# KiCad board sensorboard.kicad_pcb (continued)
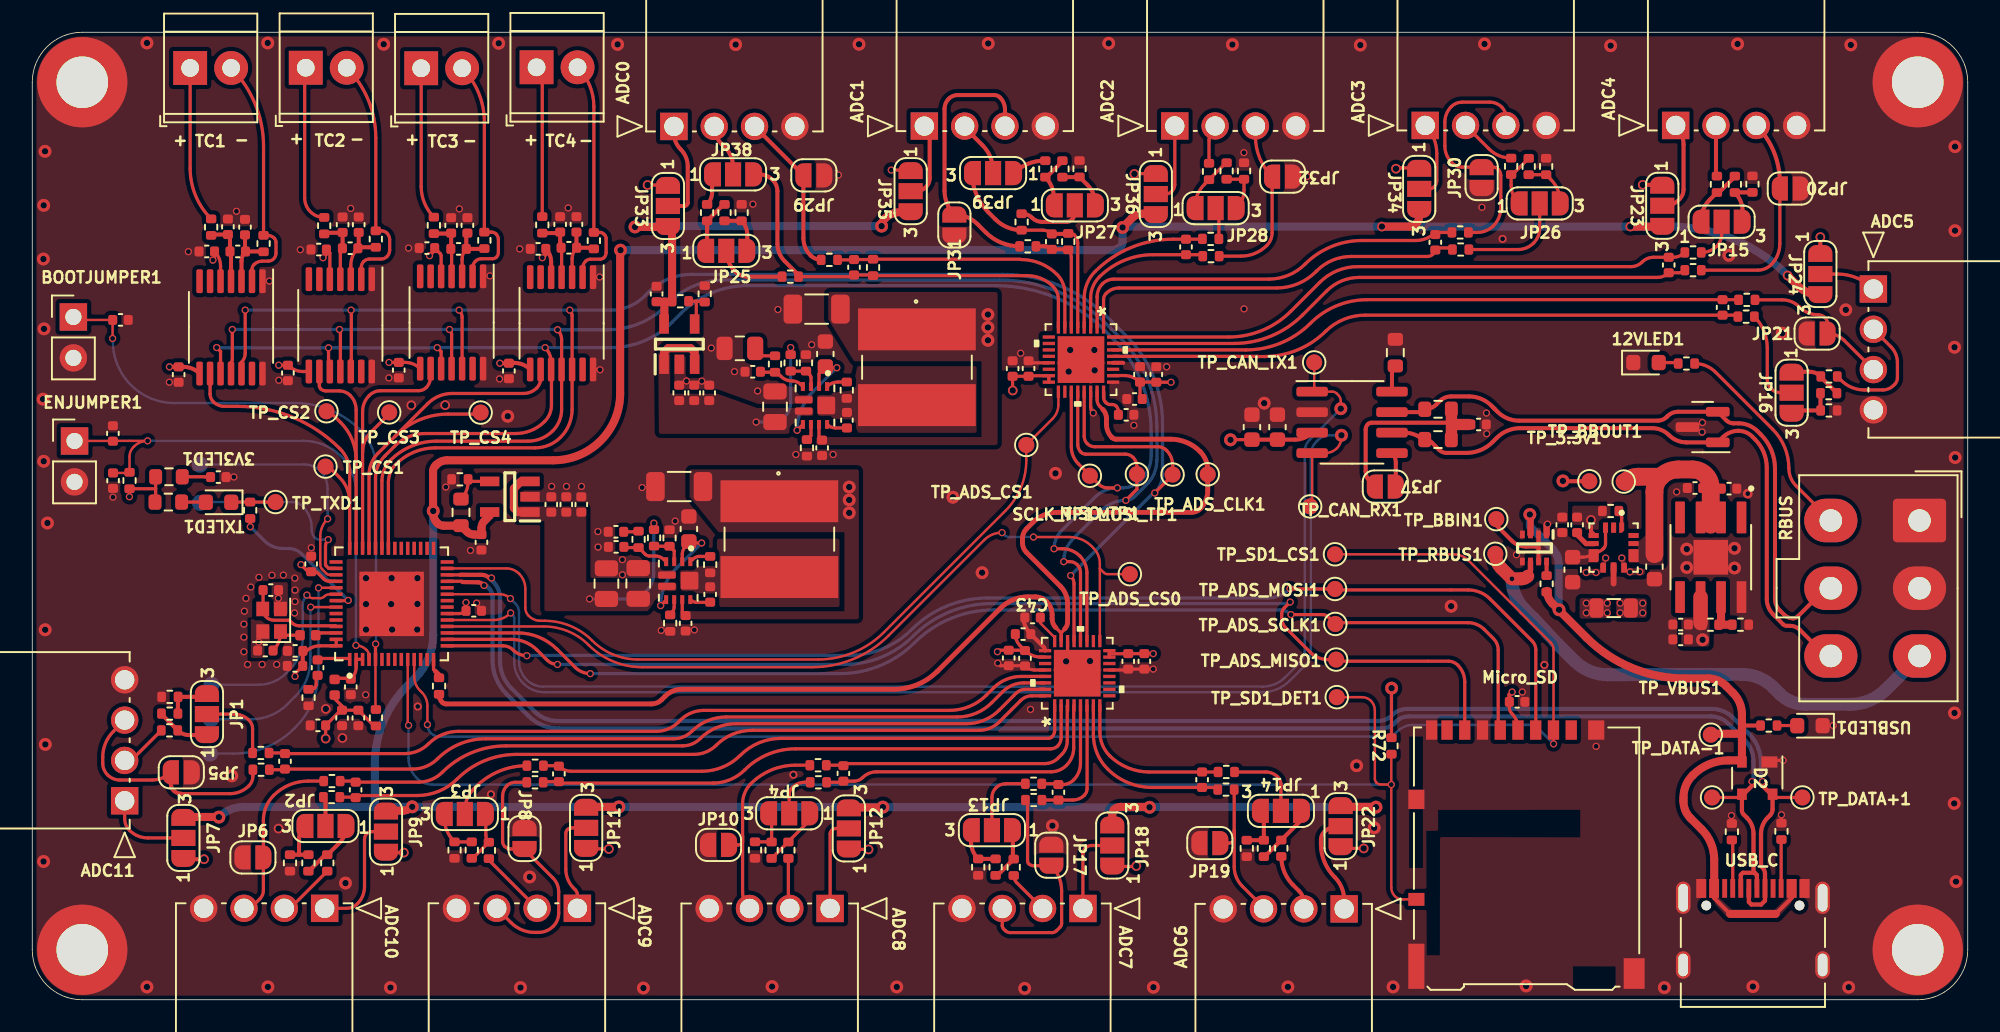
[diagram p0: board, top side]
## Routing (per net, layer and track width the routed paths; a pad name or vN(x,y) marks a point on that pad's centre or on a via; arc(x,y) is an arc through that point) (continued)
/TXD: length 2.7
  Top w0.2: TXLED1.1 12.35,30.87 TP_TXD1.1
RBUS_uC_V: length 33.7
  Top w0.336: U6.6 92.89,26.68 arc(92.85,26.45) 92.72,26.27
  Top w0.8: TP_RBUS1.1 arc(90.81,27.17) 91.08,26.77 v4(91.74,26.11) 92.33,26.11 arc(92.54,26.15) 92.72,26.27
  Bottom w0.8: J1.3 114.93,19.24 arc(113.91,18.56) 112.71,18.32 109.92,18.32 arc(109.07,18.49) 108.35,18.97 107.95,19.37 arc(107.05,19.97) 106,20.18 103.99,20.18 97.7,20.15 arc(96.57,20.38) 95.61,21.02 94.57,22.06 93.09,23.64 92.53,24.2 arc(91.95,25.07) v4(91.74,26.11)
Net-(3V3LED1-A): length 1.5
  Top w0.2: R2.1 10.7,32.43 arc(10.73,32.43) 10.75,32.41
Net-(12VLED1-A): length 1.2
  Top w0.2: 12VLED1.2 101.9,39.52 arc(101.98,39.5) R5.2
Net-(C5-Pad1): length 2.7
  Top w0.2: 20.48,21.11 20.08,21.11 20.08,20.61 arc(20.01,20.25) 19.8,19.93 ; 19.8,19.93 18.99,19.93 arc(18.87,19.91) 18.77,19.85 ; 19.8,19.93 arc(19.79,19.94) 19.79,19.94
Net-(C11-Pad1): length 1.2
  Top w0.2: R4.2 17.3,19.25 arc(17.42,19.27) 17.51,19.34 arc(17.57,19.42) 17.6,19.51 17.6,20.02 C11.1
Net-(C14-Pad1): length 2.6
  Top w0.2: L2.2 15.62,22.61 Y1.1 15.39,22.77 arc(15.27,22.16) C14.1
Net-(C57-Pad1): length 1.4
  Top w0.2: C57.1 45.28,39.94 R64.2
Net-(C79-Pad1): length 0.9
  Top w0.2: C79.1 37.55,29.02 37.59,29.06
Net-(IC1-ADJ/NC): length 2.7
  Top w0.2: IC1.4 27.33,32.15 arc(27.16,32.18) R98.2 27.02,32.11 arc(26.91,31.54) R97.1
Net-(IC2-ADJ/NC): length 2.5
  Top w0.2: 41.17,43.32 41.57,43.32 arc(41.63,43.31) R102.2 ; 41.17,43.32 R101.1 ; 41.17,43.32 41.17,42.15 arc(41.14,42.02) IC2.4
Net-(IC3-BOOT): length 1.3
  Top w0.2: C87.1 42.02,24.65 41.13,24.65 arc(40.95,24.71) IC3.10
Net-(IC3-COMP): length 3
  Top w0.2: C77.1 36.73,28.04 R21.1 38,27.63 arc(38.12,27.55) 38.26,27.52 38.62,27.52 arc(38.92,27.46) 39.17,27.29 IC3.4
Net-(IC3-EN): length 7.5
  Top w0.2: v1(38.96,24.45) 39.3,24.79 IC3.7 ; v1(41.5,28.33) 40.8,28.33 C53.1 40.71,28.31 40.44,28.04 arc(40.34,27.84) 40.3,27.63 IC3.2
  Bottom w0.2: v1(41.5,28.33) 39.91,26.73 arc(39.21,25.68) v1(38.96,24.45)
Net-(IC3-ILIM): length 1
  Top w0.2: R62.2 39.55,23.92 39.7,24.08 arc(39.78,24.21) 39.8,24.37 IC3.8
Net-(IC4-BOOT): length 1.3
  Top w0.2: C91.1 49.81,35.46 arc(49.52,35.52) IC4.10
Net-(IC4-COMP): length 2.9
  Top w0.2: C56.1 45.18,38.92 R64.1 46.17,38.92 46.43,38.66 arc(46.74,38.45) 47.1,38.38 arc(47.41,38.31) 47.67,38.14 IC4.4
Net-(IC4-EN): length 7.4
  Top w0.2: v1(49.88,39.2) 49.24,39.2 49.17,39.27 48.84,38.94 arc(48.8,38.87) 48.78,38.8 IC4.2 ; v1(47.42,35.32) 47.78,35.68 IC4.7
  Bottom w0.2: v1(49.88,39.2) 48.42,37.74 arc(47.68,36.63) v1(47.42,35.32)
Net-(IC4-ILIM): length 1
  Top w0.2: IC4.8 48.28,34.99 R100.2
Net-(J3-Pad2): length 3
  Top w0.2: R28.2 6.42,15.13 arc(6.11,14.92) J3.2
Net-(J4-Pad2): length 3.6
  Top w0.2: R31.2 16.24,5.92 arc(15.96,5.74) J4.2
Net-(J5-Pad2): length 4.3
  Top w0.2: J5.2 28.37,8.59 arc(28.33,8.67) R32.2
Net-(J6-Pad2): length 3.1
  Top w0.2: R33.2 46.88,5.88 arc(46.9,5.76) J6.2
Net-(J7-Pad2): length 2.8
  Top w0.2: J7.2 61.03,7.27 arc(60.9,7.47) R36.2
Net-(J8-Pad2): length 3.7
  Top w0.25: J8.2 78.84,6.02 arc(78.76,6.41) 78.54,6.75 78.17,7.11 arc(77.63,7.93) R43.2
Net-(J9-Pad2): length 3.2
  Top w0.25: J9.2 104.39,51.22 arc(104.41,51.14) R44.2
Net-(J10-Pad2): length 7.9
  Top w0.2: R45.2 112.16,38.41 arc(112.81,37.97) 113.59,37.82 114.73,37.82 arc(115.09,37.89) 115.4,38.09 115.48,38.18 arc(115.6,38.35) 115.64,38.56 115.64,39.52 arc(115.53,40.05) 115.23,40.5 J10.2
Net-(J12-Pad2): length 3.6
  Top w0.2: J12.2 90.32,52.76 arc(90.95,52.34) R55.2
Net-(J14-Pad2): length 2.4
  Top w0.2: R57.2 72.96,53.28 arc(73.06,53.77) J14.2
Net-(J15-CC1): length 3
  Top w0.2: 105.38,9.91 105.43,9.86 J15.A5
Net-(J15-CC2): length 3
  Top w0.2: R67.2 108.43,9.92 J15.B5
Net-(JP1-A): length 3.3
  Top w0.25: JP1.1 9.72,16.42 arc(9.34,16.49) R28.1 8.03,17.69 arc(8.02,17.72) R22.1
Net-(JP1-B): length 2.9
  Top w0.25: R22.2 9.03,18.76 arc(9.03,18.77) R23.1 10.27,18.79 arc(10.58,18.85) JP1.3
Net-(JP1-C): length 4.8
  Top w0.2: JP1.2 12.51,17.72 arc(13.02,17.61) 13.45,17.33 arc(13.61,17.09) 13.66,16.82 R73.1
Net-(JP2-A): length 3.8
  Top w0.25: 17.12,7.95 18.05,8.88 arc(18.16,8.95) 18.29,8.98 19.05,9.73 arc(19.37,10.21) JP2.1
Net-(JP2-B): length 3
  Top w0.25: R25.1 16.54,9 ; 16.54,9 17.05,9 arc(17.09,8.99) 17.12,8.97 ; 16.54,9 16.54,9.95 arc(16.63,10.4) JP2.3
Net-(JP2-C): length 1.8
  Top w0.25: JP2.2 18.18,12.25 arc(18.15,12.42) R74.1
Net-(JP3-A): length 3.3
  Top w0.2: JP3.1 28.12,10.23 arc(28.17,9.98) R32.1 27.35,8.81 arc(27.31,8.78) R26.1
Net-(JP3-B): length 3
  Top w0.2: JP3.3 25.52,11.38 arc(25.69,10.52) R27.1 R26.2
Net-(JP3-C): length 5.4
  Top w0.2: JP3.2 26.82,11.75 arc(26.96,12.47) 27.37,13.08 27.49,13.2 arc(28.95,14.17) R75.1
Net-(JP4-A): length 3.8
  Top w0.2: JP4.1 48.23,11.16 46.9,9.83 arc(46.88,9.81) R33.1 arc(46.86,9.78) 46.85,9.77 R29.1
Net-(JP4-B): length 2.9
  Top w0.2: R30.1 45.82,9.79 arc(45.83,9.79) R29.2 45.84,11.06 arc(45.79,11.33) JP4.3
Net-(JP4-C): length 2.8
  Top w0.2: JP4.2 46.93,12.71 arc(46.98,12.95) 47.12,13.17 arc(47.47,13.4) 47.89,13.49 R76.1
Net-(JP5-B): length 15.2
  Top w0.2: R77.1 13.68,13.87 arc(13.62,13.54) 13.43,13.27 arc(12.89,12.91) 12.26,12.78 9.23,12.78 ; J3.3 5.03,16.64 arc(4.54,15.91) 4.37,15.05 4.37,14.67 arc(4.45,14.28) 4.67,13.95 arc(5.02,13.71) 5.44,13.63 7.43,13.63 arc(8.06,13.75) JP5.2
  Top w0.25: JP5.2 8.59,13.41 arc(8.64,13.17) 8.77,12.97 arc(8.98,12.83) 9.23,12.78
Net-(JP6-B): length 11.2
  Top w0.2: R78.1 17.11,13.56 arc(15.95,13.33) 14.97,12.68 arc(14.5,11.97) 14.33,11.13 JP6.2 14.33,6.77 arc(14.28,6.5) 14.12,6.27 13.8,5.95 arc(13.49,5.74) J4.3
Net-(JP7-C): length 5.4
  Top w0.2: J3.1 5.73,11.23 arc(5.81,10.84) 6.03,10.51 arc(6.55,10.16) 7.16,10.04 JP7.2
Net-(JP8-B): length 16.2
  Top w0.2: J5.3 29.69,4.78 arc(30.36,4.33) 31.15,4.18 31.38,4.18 arc(31.88,4.27) 32.3,4.56 arc(32.55,4.93) 32.64,5.37 32.64,6.7 arc(32.55,7.16) 32.28,7.55 30.54,9.29 ; R79.1 29.94,13.49 arc(29.66,13.43) 29.43,13.28 arc(29.23,12.98) 29.16,12.62 29.16,9.82 arc(29.19,9.65) 29.29,9.51 arc(29.47,9.39) 29.68,9.35 JP8.2
Net-(JP9-C): length 7.8
  Top w0.2: JP9.2 21.02,10.43 arc(20.87,10.4) 20.75,10.32 arc(20.64,10.15) 20.6,9.95 20.6,7.02 arc(20.49,6.44) 20.16,5.96 arc(19.84,5.74) 19.47,5.67 J4.1
Net-(JP10-B): length 13.2
  Top w0.2: 44.04,10.14 44.04,9.82 arc(44.03,9.76) 43.99,9.7 arc(43.88,9.63) 43.76,9.6 JP10.2 ; 44.04,10.14 44.04,6.7 arc(44.15,6.14) J6.3 ; 44.04,10.14 44.04,12.15 arc(44.18,12.83) 44.56,13.41 arc(45.82,14.25) 47.31,14.55 R80.1
Net-(JP11-C): length 6.3
  Top w0.2: JP11.2 33.45,10.66 arc(33.3,10.63) 33.18,10.55 arc(33.11,10.44) 33.08,10.31 33.08,8.1 arc(33.21,7.46) 33.57,6.91 33.66,6.83 arc(33.76,6.67) 33.8,6.49 J5.1
Net-(JP12-C): length 6
  Top w0.2: J6.1 49.47,10.28 arc(49.49,10.4) 49.56,10.5 arc(49.7,10.59) 49.86,10.62 JP12.2
Net-(JP13-A): length 3.4
  Top w0.25: R36.1 59.92,7.79 arc(59.83,7.74) R34.1 ; R36.1 60.86,8.74 ; R36.1 arc(60.81,8.78) 60.8,8.85 JP13.1
Net-(JP13-B): length 3
  Top w0.25: R34.2 R35.1 arc(58.32,9.23) 58.2,9.82 JP13.3
Net-(JP13-C): length 4.6
  Top w0.2: JP13.2 59.5,12.54 arc(59.56,12.87) 59.75,13.15 arc(60.03,13.33) 60.35,13.4 R81.1
Net-(JP14-A): length 3.8
  Top w0.25: JP14.1 78.72,11.19 R43.1 76.44,8.91 arc(76.4,8.88) R37.1
Net-(JP14-B): length 2.9
  Top w0.25: R38.1 R37.2 76.36,11.14 arc(76.3,11.45) JP14.3
Net-(JP14-C): length 4.9
  Top w0.2: JP14.2 77.42,13.34 arc(77.37,13.6) 77.22,13.82 arc(76.88,14.04) 76.47,14.13 R82.1
Net-(JP15-A): length 3.7
  Top w0.25: JP15.1 arc(103.59,48.99) 104.01,49.62 R44.1 104.58,50.06 105.53,51.02 arc(105.55,51.05) R39.1
Net-(JP15-B): length 3
  Top w0.25: R40.1 105.58,50.07 arc(105.57,50.07) R39.2 arc(105.92,49.53) 106.04,48.9 JP15.3
Net-(JP15-C): length 2.7
  Top w0.2: R83.1 103.51,46.35 arc(104.01,46.44) 104.43,46.73 arc(104.66,47.07) 104.74,47.47 JP15.2
Net-(JP16-A): length 3.3
  Top w0.25: R41.1 110.92,38.59 arc(110.9,38.62) R45.1 arc(110.57,38.87) 110.19,38.95 JP16.1
Net-(JP16-B): length 2.9
  Top w0.25: R41.2 110.87,36.57 arc(110.87,36.56) R42.1 109.56,36.55 arc(109.3,36.49) JP16.3
Net-(JP16-C): length 6.1
  Top w0.2: JP16.2 108.4,37.65 arc(108.09,37.71) 107.82,37.89 arc(107.63,38.16) 107.57,38.49 107.57,40.43 arc(107.36,41.48) R84.1
Net-(JP17-B): length 14.4
  Top w0.2: J7.3 60.14,4.59 arc(60.16,4.48) 60.22,4.4 60.33,4.29 arc(60.46,4.2) 60.62,4.17 63.23,4.17 arc(63.38,4.19) 63.5,4.28 63.72,4.5 arc(63.79,4.61) 63.82,4.74 63.82,6.77 arc(63.65,7.61) JP17.2 62.07,8.32 arc(61.91,8.35) 61.78,8.44 arc(61.73,8.51) 61.71,8.6 61.71,12.07 arc(61.68,12.24) R85.1
Net-(JP18-C): length 5.5
  Top w0.2: J7.1 65.14,9.06 arc(65.18,9.24) 65.28,9.4 65.29,9.41 arc(65.47,9.52) 65.67,9.57 JP18.2
Net-(JP19-B): length 9.8
  Top w0.2: 74.52,10.5 74.52,8.25 arc(74.65,7.6) 75.02,7.05 76.27,5.79 arc(76.32,5.72) J8.3 ; 74.52,10.5 74.52,9.98 arc(74.5,9.9) 74.46,9.84 ; 74.52,10.5 R86.1 ; JP19.2 74.17,9.72 arc(74.33,9.75) 74.46,9.84 ; 74.46,9.84 arc(74.51,9.91) 74.53,10
Net-(JP20-B): length 13.6
  Top w0.2: R87.1 106.99,45.25 arc(107.43,45.33) 107.81,45.59 arc(108.21,46.18) 108.35,46.89 JP20.2
  Top w0.25: JP20.2 108.35,50.7 arc(107.97,52.6) J9.3
Net-(JP21-B): length 9.4
  Top w0.2: R88.1 108.5,43.41 arc(109.07,43.29) 109.56,42.97 109.56,42.96 arc(110.1,42.6) 110.74,42.48 arc(110.96,42.43) 111.15,42.31 arc(111.27,42.13) 111.31,41.92 JP21.2 arc(111.87,41.2) 112.34,40.89 J10.3
Net-(JP22-C): length 6.3
  Top w0.25: JP22.2 80.98,10.77 arc(80.5,10.67) 80.09,10.4 arc(79.95,10.18) 79.9,9.93 79.9,9.66 arc(80.12,8.55) 80.75,7.61 arc(81.19,6.95) 81.34,6.18 J8.1
Net-(JP23-C): length 6
  Top w0.25: JP23.2 101.24,49.24 arc(101.68,49.33) 102.06,49.58 102.14,49.66 arc(102.32,49.93) 102.38,50.24 102.38,53.04 arc(102.25,53.68) J9.1
Net-(JP24-C): length 3.5
  Top w0.2: JP24.2 111.92,45.01 arc(113.13,44.76) J10.1
Net-(JP25-A): length 3.4
  Top w0.25: R46.1 arc(42.86,49.31) 42.82,49.28 R54.1 41.84,46.71 arc(41.81,46.57) JP25.1
Net-(JP25-B): length 3
  Top w0.25: R46.2 R47.1 arc(44.24,47.92) 44.33,47.46 JP25.3
Net-(JP25-C): length 4.4
  Top w0.25: R89.1 44.29,44.85 arc(43.94,44.92) 43.64,45.12 43.54,45.22 arc(43.16,45.78) JP25.2
Net-(JP26-A): length 3.4
  Top w0.2: R48.1 91.83,51.23 arc(91.76,51.19) R55.1 91.69,50.52 arc(91.81,49.91) JP26.1
Net-(JP26-B): length 3.1
  Top w0.2: R48.2 R49.1 94.14,50.89 arc(94.6,50.2) JP26.3
Net-(JP26-C): length 6.7
  Top w0.2: JP26.2 93.46,47.84 arc(93.36,47.35) 93.08,46.93 arc(92.64,46.63) 92.11,46.53 R90.1
Net-(JP27-A): length 3.4
  Top w0.25: JP27.1 63.34,49.74 arc(63.2,50.43) R56.1 arc(62.88,51.03) 62.94,51.07 63.87,52 R50.1
Net-(JP27-B): length 3.2
  Top w0.25: R50.2 64.91,51.01 arc(64.92,51.02) R51.1 65.41,50.55 arc(65.8,49.96) JP27.3
Net-(JP27-C): length 4.7
  Top w0.2: 64.64,48.82 JP27.2
  Top w0.25: JP27.2 64.64,48.81 arc(64.59,48.57) 64.46,48.38 arc(64.31,48.28) 64.13,48.24 62.61,48.24 arc(62.27,48.31) 61.99,48.5 arc(61.71,48.68) 61.39,48.75 R91.1
Net-(JP28-A): length 3.6
  Top w0.2: JP28.1 arc(72.23,49.9) 72.69,50.58 R57.1 73.98,51.88 arc(74.01,51.9) R52.1
Net-(JP28-B): length 3
  Top w0.2: R52.2 R53.1 75.13,50.21 arc(75.01,49.6) JP28.3
Net-(JP28-C): length 2
  Top w0.2: R92.1 73.57,48.61 arc(73.52,48.87) JP28.2
Net-(JP29-B): length 10.1
  Top w0.25: J11.3 47.81,51.14 arc(47.81,51.13) JP29.2 47.81,47.24 arc(47.93,46.65) 48.26,46.16 48.26,46.15 arc(48.56,45.96) R93.1
Net-(JP30-B): length 16.5
  Top w0.2: J12.3 91.36,54.74 arc(91.3,55.07) 91.11,55.36 arc(90.77,55.58) 90.36,55.67 88.66,55.67 arc(88.29,55.59) 87.98,55.39 arc(87.68,54.94) 87.58,54.42 87.58,52.96 arc(87.69,52.38) 88.02,51.9 arc(88.31,51.7) 88.65,51.64 JP30.2 90.56,51.64 arc(90.74,51.6) 90.89,51.5 arc(91.01,51.32) 91.05,51.11 91.05,49.11 arc(90.93,48.5) 90.59,48 arc(90.14,47.69) 89.6,47.59 R94.1
Net-(JP31-B): length 17.2
  Top w0.25: J13.3 60.31,55.21 arc(60.23,55.61) 60,55.96 arc(59.83,56.07) 59.64,56.11 57.38,56.11 arc(57.07,56.05) 56.82,55.88 arc(56.63,55.59) 56.56,55.25 56.56,50.17 arc(56.72,49.37) JP31.2 arc(57.95,48.54) 58.6,48.1 59.11,47.6 arc(60.07,46.95) R95.1
Net-(JP32-B): length 10.9
  Top w0.2: R96.1 74.95,46.12 arc(75.81,46.29) 76.54,46.78 arc(76.78,47.14) 76.87,47.57 JP32.2 arc(76.11,52.19) 75.84,53.54 J14.3
Net-(JP33-C): length 6.3
  Top w0.25: JP33.2 40.08,49.23 40.44,49.23 arc(40.58,49.28) 40.64,49.43 40.64,51.68 arc(40.53,52.25) 40.2,52.74 arc(39.89,53.21) 39.78,53.75 J11.1
Net-(JP34-C): length 5
  Top w0.2: JP34.2 86.61,50.29 arc(86.78,50.32) 86.92,50.42 arc(87.04,50.59) 87.08,50.8 87.08,52.49 arc(86.89,53.43) J12.1
Net-(JP35-C): length 5
  Top w0.25: JP35.2 54.81,50.15 arc(55.13,50.21) 55.41,50.4 arc(55.58,50.65) 55.64,50.95 55.64,53.38 arc(55.55,53.81) J13.1
Net-(JP36-C): length 5.1
  Top w0.2: J14.1 70.84,50.56 arc(70.79,50.33) 70.66,50.14 arc(70.47,50.01) 70.25,49.97 JP36.2
Net-(JP37-B): length 12.1
  Top w0.25: JP37.2 82.93,32.13 arc(82.74,32.42) 82.67,32.77 82.67,35.36 arc(82.71,35.54) 82.8,35.69 arc(82.91,35.76) 83.03,35.79 88.08,35.79
  Top w0.7: 89.06,35.68 88.06,35.68 ; 87.99,35.6 87.99,34.74 ; 87.99,35.75 87.99,36.62
Net-(JP38-A): length 1.9
  Top w0.25: JP38.1 42.15,50.07 arc(42.07,49.67) R54.2
Net-(JP38-C): length 3.3
  Top w0.25: 43.45,51.2 43.45,51.66 arc(43.32,52.31) 42.95,52.87 42.72,53.09 arc(42.4,53.58) J11.2
Net-(JP39-A): length 2.1
  Top w0.25: R56.2 62.73,52.03 arc(61.72,51.83) JP39.1
Net-(JP39-C): length 3.5
  Top w0.25: JP39.2 59.57,51.42 arc(59.4,52.27) 58.92,52.99 57.87,54.04 arc(57.82,54.1) J13.2
Net-(TC1-+): length 9.7
  Top w0.2: TC1.1 9.79,51.56 arc(10.13,49.87) R12.2
Net-(TC1--): length 15.4
  Top w0.2: U4.2 13.62,45.29 arc(13.66,45.45) 13.75,45.6 arc(13.98,45.75) 14.26,45.81 14.62,45.81 arc(14.97,45.95) 15.11,46.29 15.11,46.98 arc(15.08,47.11) 15.01,47.23 arc(14.81,47.36) 14.58,47.41 R13.1 14.34,52.93 arc(13.82,55.56) TC1.2
Net-(TC2-+): length 10
  Top w0.2: TC2.1 arc(16.91,57.73) 16.89,57.64 16.89,49.73 arc(17.24,48.87) R8.2
Net-(TC2--): length 15.5
  Top w0.2: U2.2 20.4,45.42 arc(20.44,45.62) 20.55,45.79 arc(20.72,45.9) 20.91,45.94 21.63,45.94 arc(21.82,45.97) 21.99,46.09 arc(22.12,46.27) 22.16,46.5 22.16,47.13 arc(22.12,47.36) 21.99,47.55 arc(21.83,47.65) 21.65,47.69 R9.1 21.3,53.45 arc(20.83,55.8) TC2.2
Net-(TC3-+): length 9.4
  Top w0.2: TC3.1 24.11,50.43 arc(24.32,49.41) R10.2
Net-(TC3--): length 15.2
  Top w0.2: U3.2 27.3,45.38 arc(27.34,45.61) 27.47,45.8 arc(27.65,45.91) 27.86,45.96 28.54,45.96 arc(28.67,45.98) 28.78,46.06 arc(28.87,46.19) 28.9,46.34 28.9,47.15 arc(28.86,47.33) 28.76,47.49 arc(28.63,47.57) 28.47,47.6 R11.1 28.03,54.44 arc(27.67,56.24) TC3.2
Net-(TC4-+): length 9.4
  Top w0.2: R14.2 31.62,56.98 arc(31.53,57.44) TC4.1
Net-(TC4--): length 14.9
  Top w0.2: U5.2 34.12,45.35 arc(34.17,45.59) 34.31,45.81 arc(34.44,45.89) 34.6,45.93 35.21,45.93 arc(35.34,45.95) 35.45,46.03 arc(35.55,46.17) 35.58,46.34 35.58,47.22 arc(35.56,47.33) 35.5,47.42 35.4,47.52 arc(35.32,47.57) 35.23,47.59 R15.1 34.82,55.39 arc(34.56,56.71) TC4.2
Net-(TXLED1-A): length 1.5
  Top w0.2: R1.2 10.73,30.86 arc(10.75,30.86) TXLED1.2
Net-(U1-GPIO9/ADC1_CH8): length 1.3
  Top w0.2: 24.88,21.11 24.88,20.49 24.99,20.38
  Top w0.299: 24.99,20.38 25.22,20.15 R20.1
Net-(U1-LNA_IN/RF): length 2.1
  Top w0.2: U1.1 19.62,21.17 17.78,21.17 C11.2
Net-(U1-MTCK/JTAG/GPIO39): length 11.8
  Top w0.2: U1.44 18.38,26.75 18.22,26.9 arc(18.19,26.95) 18.18,27.01 18.18,28.12 arc(18.22,28.35) v1(18.35,28.54)
  Bottom w0.15: v1(18.35,28.54) 17.82,28.54 arc(17.65,28.57) 17.51,28.67 arc(17.37,28.88) 17.32,29.12 17.32,29.28 arc(17.18,29.99) 16.78,30.59 arc(16.47,30.79) 16.11,30.87 10.41,30.87
Net-(U1-MTDI/JTAG/GPIO41): length 15.9
  Top w0.15: 18.84,25.55 17.75,25.55 v1(17.75,25.55)
  Bottom w0.15: TP_JTAG_MTDI1.1 12.5,15.27 arc(14.52,15.67) 16.24,16.82 16.3,16.88 arc(17.37,18.48) 17.74,20.36 17.74,25.54 v1(17.75,25.55)
Net-(U1-MTDO/JTAG/GPIO40): length 15
  Top w0.15: 18.84,26.35 18.4,26.35 arc(18.33,26.37) 18.26,26.41 17.98,26.69 arc(17.89,26.83) 17.86,26.99 17.86,28.73 arc(17.97,29.32) v1(18.31,29.83)
  Bottom w0.15: v1(18.31,29.83) 18.31,31.7 arc(18.19,32.29) 17.86,32.79 arc(17.41,33.09) 16.87,33.2 10.38,33.2
Net-(U1-MTMS/JTAG/GPIO42): length 12
  Top w0.15: U1.48 18.45,25.15 arc(18.26,25.11) 18.1,25.01 arc(17.99,24.93) 17.86,24.91 17.4,24.91 arc(17.23,24.94) 17.09,25.03 v1(17.03,25.1)
  Bottom w0.15: TP_JTAG_MTMS1.1 14.04,19.54 arc(14.95,19.72) 15.73,20.23 15.95,20.46 arc(16.56,21.36) 16.77,22.43 16.77,24.47 arc(16.84,24.81) v1(17.03,25.1)
Net-(U1-U0RXD/PROG/GPIO44): length 13.1
  Top w0.15: v1(17.26,24.35) 17.26,24.35 18.84,24.35
  Bottom w0.15: v1(17.26,24.35) 17.25,24.34 17.25,21.47 17.25,21.31 17.25,21.09 arc(17,19.85) 16.3,18.81 15.82,18.32 arc(14.79,17.64) 13.58,17.4 TP_RXD1.1
Net-(U1-U0TXD/PROG/GPIO43): length 9.1
  Top w0.2: U1.49 19.57,24.75 v1(19.59,24.77) ; v1(13.52,29.34) 13.51,29.35 R6.2
  Bottom w0.2: v1(19.59,24.77) 16.72,27.64 arc(16.33,27.89) 15.88,27.99 15.54,27.99 arc(14.92,28.11) 14.4,28.46 v1(13.52,29.34)
Net-(U1-XTAL_N): length 6.2
  Top w0.2: C13.1 14.31,24.26 Y1.3 arc(14.5,23.74) 14.99,23.54 15.88,23.54 arc(15.93,23.52) 15.98,23.49 16.09,23.38 arc(16.3,23.24) 16.55,23.19 18.8,23.19 U1.53
Net-(U1-XTAL_P): length 1.3
  Top w0.2: 18.84,22.75 17.92,22.75 arc(17.74,22.71) L2.1
Net-(U2-T+): length 4.1
  Top w0.2: U2.4 19.1,46.29 arc(19.13,46.46) C16.1
  Top w0.25: C16.1 19.24,46.62 C15.2 19.22,47.57 18.1,47.57
Net-(U2-T-): length 4.2
  Top w0.2: U2.3 19.75,45.54 arc(19.86,46.12) C16.2
  Top w0.25: R9.2 20.33,46.67 arc(20.26,46.65) C16.2 20.24,46.66 C17.1
Net-(U3-T+): length 3.8
  Top w0.2: U3.4 26,46.44 arc(25.99,46.51) C20.1
  Top w0.25: R10.1 25.9,47.51 arc(25.94,47.52) C19.2 25.97,46.61 arc(25.96,46.59) C20.1
Net-(U3-T-): length 3.9
  Top w0.2: U3.3 26.65,45.94 arc(26.72,46.28) C20.2
  Top w0.25: R11.2 arc(28.01,46.57) 27.98,46.56 C20.2 26.91,47.38 arc(26.93,47.47) C21.1
Net-(U4-T+): length 4
  Top w0.25: U4.4 12.32,46.25 arc(12.31,46.34) C24.1 12.26,47.14 arc(12.23,47.31) C23.2 11.21,47.46 arc(11.15,47.44) R12.1
Net-(U4-T-): length 4.1
  Top w0.25: C25.1 13.19,46.48 arc(13.2,46.44) C24.2 ; C24.2 14.29,46.41 arc(14.32,46.4) R13.2 ; C24.2 arc(13.04,46.13) 12.97,45.81 U4.3
Net-(U5-T+): length 3.9
  Top w0.2: U5.4 32.82,46.56 arc(32.81,46.6) C28.1
  Top w0.25: R14.1 32.59,47.55 arc(32.66,47.56) C27.2 32.73,46.78 arc(32.75,46.7) C28.1
Net-(U5-T-): length 4
  Top w0.2: U5.3 33.47,45.96 arc(33.54,46.33) C28.2
  Top w0.25: C29.1 33.74,46.66 arc(33.74,46.65) C28.2 34.65,46.64 arc(34.74,46.62) R15.2
Net-(U6-ST): length 0.8
  Top w0.25: U6.8 93.89,26.41 93.92,26.38
Net-(U9-CAP): length 1.8
  Top w0.15: C43.1 62.5,23.36 63.39,22.47 U9.24
Net-(U10-CAP): length 2
  Top w0.2: 66.43,37.71 66.43,37.32 arc(66.46,37.18) 66.53,37.07 66.61,37 arc(66.7,36.94) 66.81,36.92 66.95,36.92 arc(67.09,36.89) 67.2,36.81 arc(67.3,36.66) 67.34,36.48 C44.1
Net-(U13-Rs): length 1.7
  Top w0.25: U13.8 84.3,38.8 arc(84.36,39.07) R69.1
Net-(USBLED1-A): length 1.3
  Top w0.2: R68.2 109.4,17.01 arc(109.42,17) USBLED1.2

## Copper pours and planes (outline as drawn; the poured copper is in the pictures)
+3V3 on Top: 40.15,24.1 50.35,24.1 50.35,29 42.55,29 40.75,31.2 40.75,32.9 51.25,32.9 51.25,23.6 40.15,23.6
+3V3 on Top: 49.35,43.9 59.85,43.9 59.85,34.4 48.55,34.4 48.55,34.9 58.85,34.9 58.85,39.6 50.95,39.6 49.35,42.2
+3V3 on Top: 103.99,21.9 102.24,21.9 102.24,23.71 103.99,23.71
+3V3 on In2.Cu: -0.03,60.07 -0.04,0 120.02,-0.02 120.09,59.98
GND on Top: 97.63,30.06 97.13,29.68 97.13,28.62 96.5,28.63 96.11,29.13 95.47,29.13 95.47,30.64 97.63,30.64
GND on Top, Bottom, In1.Cu: 120.45,60 -0.55,60 -0.55,0 120.45,0
VBUS on Top: 104.58,6.34 105.42,5.57 105.29,5.08 105.14,5.09 104.99,5.22 103.98,6.34
VBUS on Top: 108.78,6.33 109.38,6.33 108.22,5.08 108.07,5.08 108.01,5.58
/Boosts/LDO5.5V_IN on Top: 39.95,25.9 34.35,25.9 34.35,30.6 30.05,30.6 30.05,29.7 31.75,29.7 31.75,24.1 38.15,24.1 39.05,25.3 39.95,25.3
/Boosts/LDO11V_IN on Top: 48.45,36.7 44.95,36.7 42.45,37.6 39.55,37.6 39.55,40.14 38.81,40.15 38.85,35.1 47.05,35.1 47.55,36.2 48.45,36.2
/Power/BBIN on Top: 96.38,27.96 96.49,27.95 96.88,27.6 97.05,27.15 96.6,26.98 93.22,26.97 93.22,29.28 93.56,29.29 93.56,28.43 94.24,28.44 94.26,29.27 95.68,29.28
/Power/BBOUT on Top: 100.27,28.44 101.12,28.44 101.13,26.95 100.14,26.95 98.93,27.14 98.96,28.45
/Power/LX1 on Top: 97.85,23.66 95.93,23.63 95.94,24.92 97.85,24.86
/Power/LX1 on Bottom: 97.74,24.3 97.33,24.3 97.32,27.55 97.73,27.56
/Power/LX1 on Bottom: 97.73,23.69 96.14,23.69 96.14,26.73 97.73,26.73
/Power/LX2 on Top: 100.09,23.68 98.2,23.7 98.2,24.9 100.09,24.88
/Power/LX2 on Top: 99.99,26.33 98.41,26.33 98.41,27.6 98.75,27.6 98.85,26.8 99.99,26.73
/Power/LX2 on Bottom: 99.95,23.7 98.35,23.7 98.35,26.74 99.95,26.74
/Power/LX2 on Bottom: 98.76,24.32 98.35,24.32 98.35,27.56 98.76,27.56
Net-(IC3-SW) on Top: 40.15,26.7 41.45,26.9 42.45,26.9 42.45,28.6 50.05,28.6 50.05,24.3 42.45,24.3 42.45,25.2 41.45,25.2 40.15,25.3
Net-(IC4-SW) on Top: 50.85,37.8 51.15,39.3 58.55,39.3 58.55,35.1 51.25,35.1 50.85,35.9 48.65,36.2 48.66,37.52

Small or netless copper shapes (teardrops, artwork), in the pictures only: 3 on Top

## Text on the board
B.Silkscreen: Power / Speed / Skills / Dimensions (mm) / Version / Mrs.Piggy / Top Trumps Rating | K - Kerbal / E - ESP32 / R - Regressed / M - Mission / I - with Integrated / T - Thermocouples | IV / I am / 69 / 60x120 / 2 / Yes / 420 | Top Trumps File | Designed By / Aleks Kent / Electronics And Payload 2023
